# Altium PCB Testopstelling_DA_BOX_STEDIN_V2.PcbDoc (part 2 of 3)
Units mm, origin at the board's own origin, x right, y up, seen from the top; angles counter-clockwise.
Board outline 131.42 x 171.88 mm, 4 copper layers (Top Layer, GND, Power, Bottom Layer), stack 0.603 mm thick; 194 components, 128 nets, 737 pads, 414 vias.
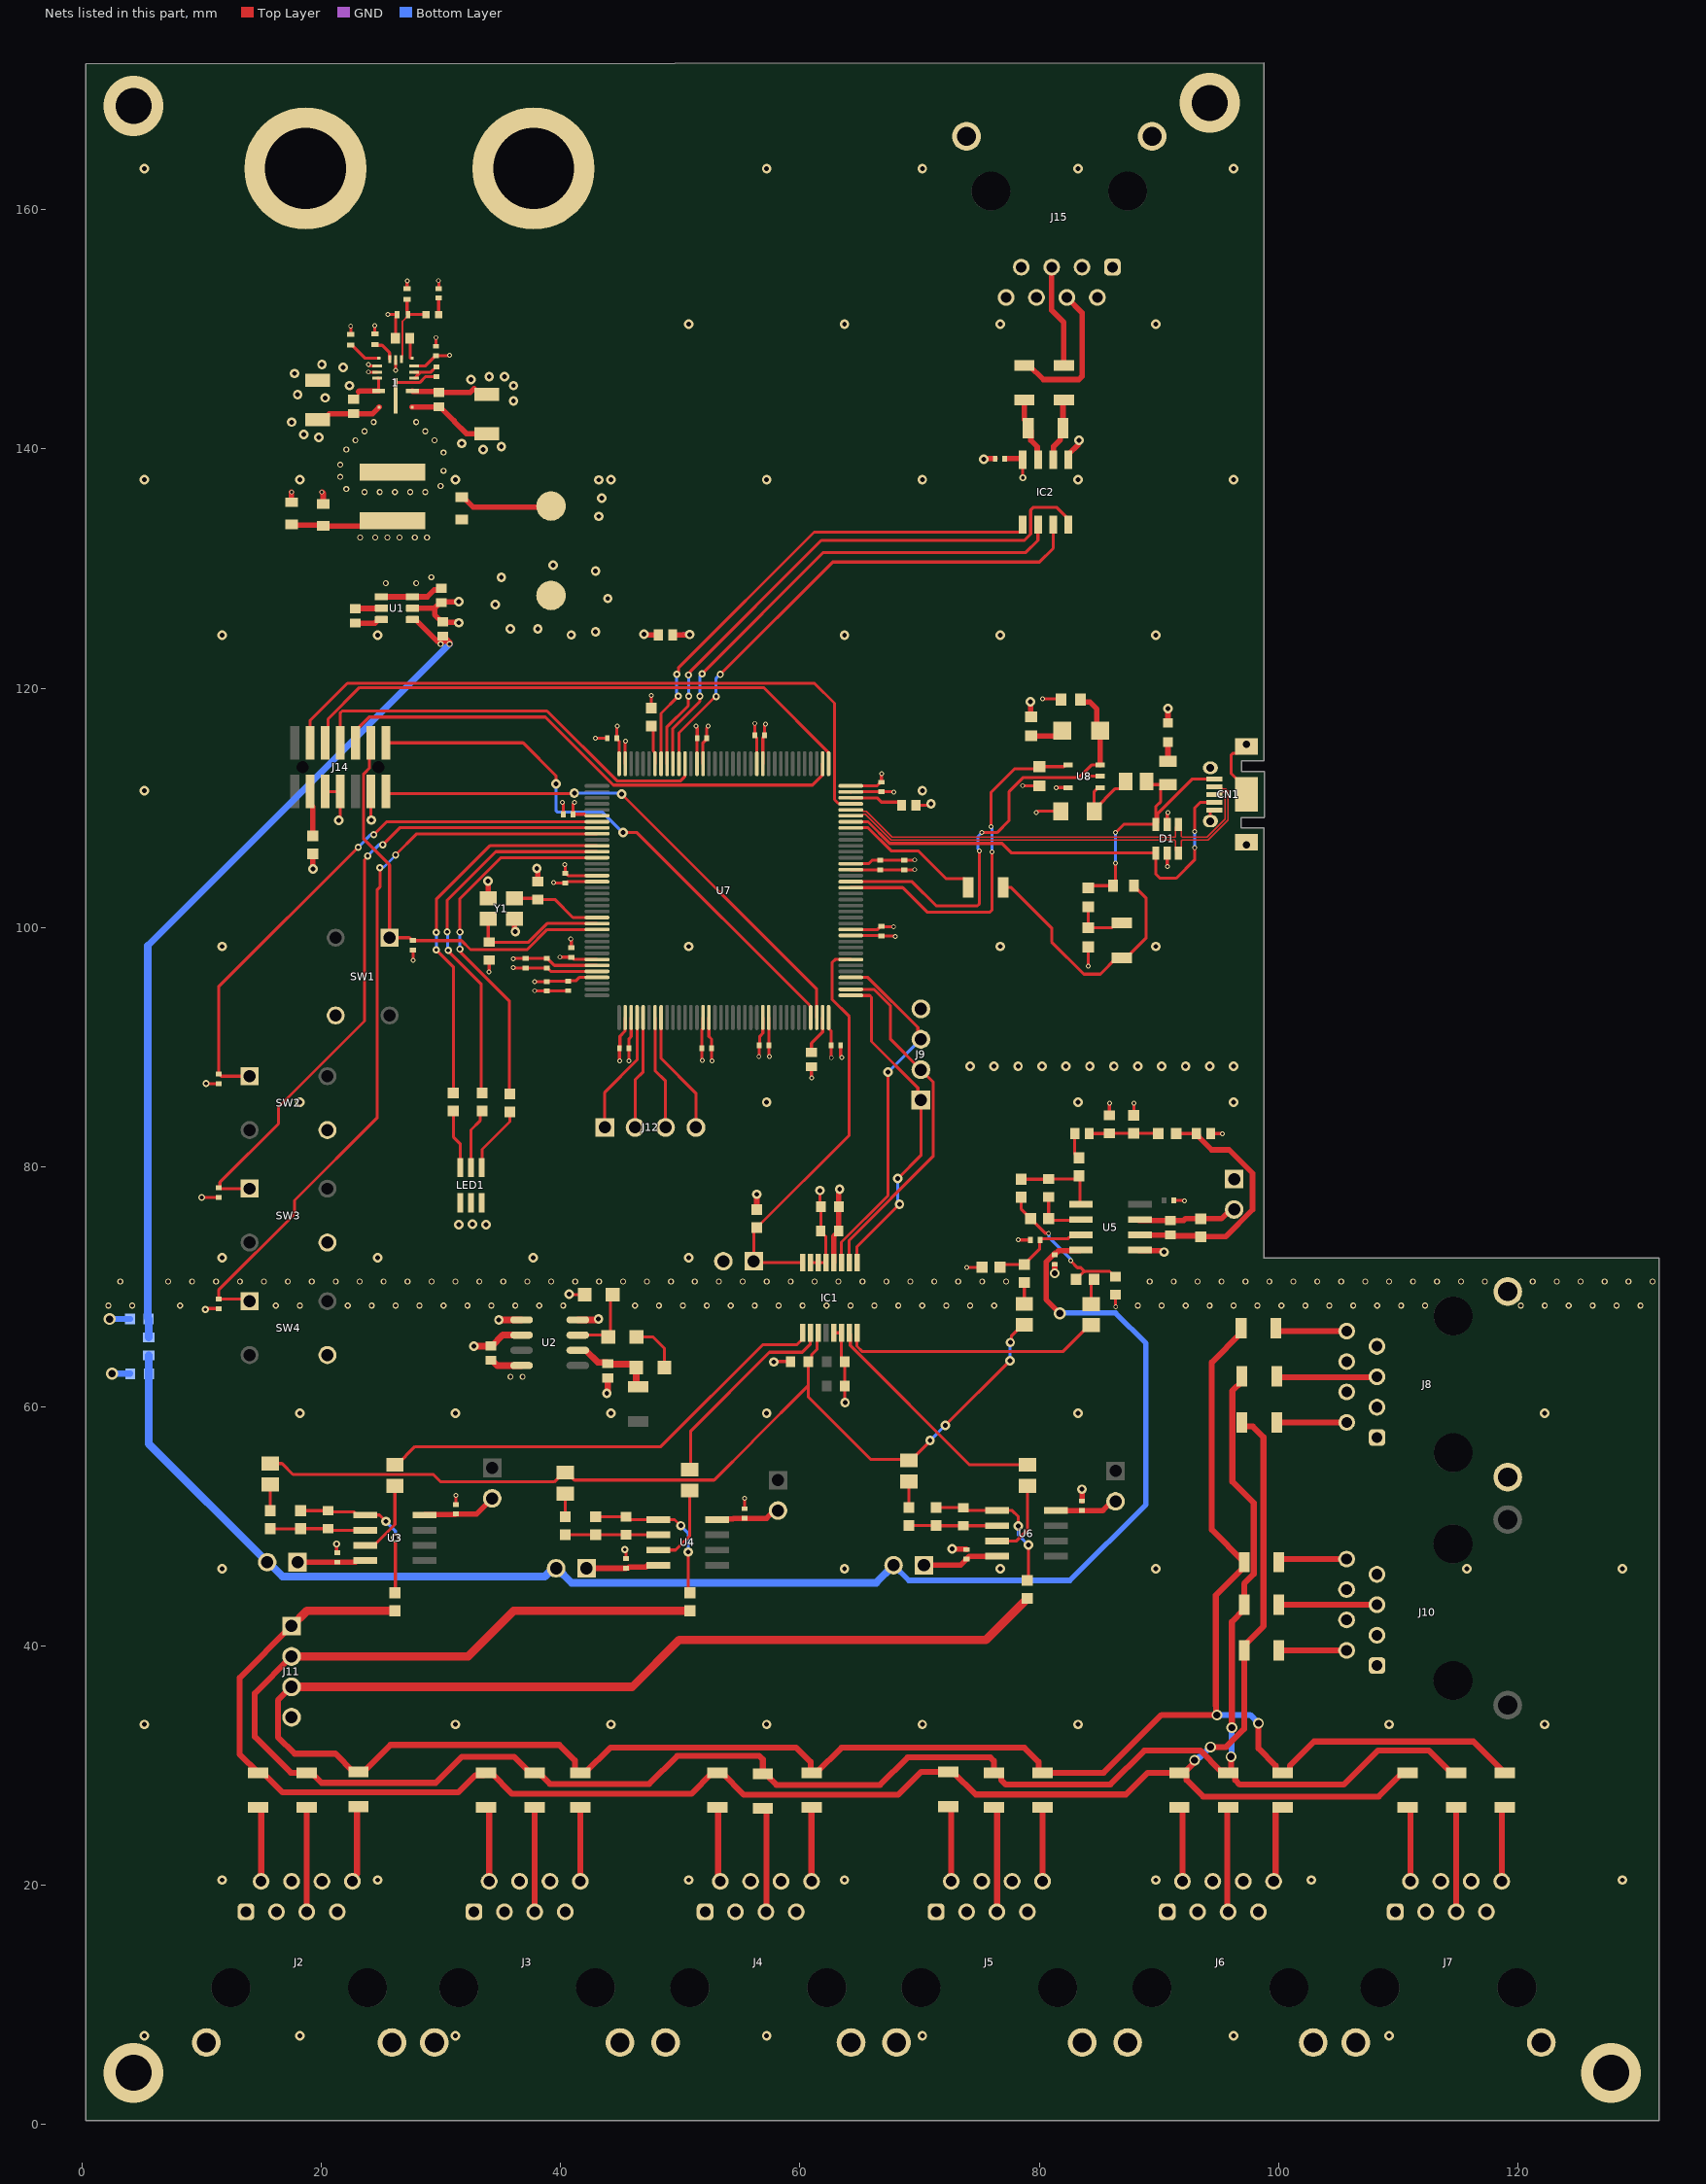
[diagram p4: the nets of this part, all layers, seen from the top]

## Via types
v1: diameter 0.8, hole 0.4, Top Layer to Bottom Layer, 160 vias
v2: diameter 0.5, hole 0.3, Top Layer to Bottom Layer, 139 vias
v3: diameter 0.4, hole 0.25, Top Layer to Bottom Layer, 74 vias
v4: diameter 0.6, hole 0.3, Top Layer to Bottom Layer, 26 vias
v5: diameter 0.9, hole 0.6, Top Layer to Bottom Layer, 6 vias
v6: diameter 5, hole 3, Top Layer to Bottom Layer, 4 vias
v7: diameter 1, hole 0.6, Top Layer to Bottom Layer, 3 vias
v8: diameter 0.9, hole 0.5, Top Layer to Bottom Layer, 1 vias
v9: diameter 0.8, hole 0.5, Top Layer to Bottom Layer, 1 vias

## Nets (pads, with @x,y where several pads share a name; then routed paths per layer and width w, separated by ;. In a path a pad name is that pad's centre, name@x,y a point inside that pad or via, vN(x,y) a via of type N, cw(c..) or ccw(c..) an arc to the next point about the centre after c; other vN are vias at no path point) (continued)
"+3V3 (DVVD)": 1.5 C1.2 C6.1 C7.1 C8.1 C10.2 C11.2 C14.1 C17.2 C20.1 C21.1 C48.1 C49.1 C50.1 C51.1 C52.1 C53.1 C54.1 C55.1 C56.1 C57.1 C58.1 C59.1 C60.1 C61.1 C62.1 C63.1 C64.1 C65.1 C66.1 C67.1 IC1.12 IC2.8 L1.2 R1.2 R3.1 R15.2 R54.2 R61.2 R62.1 U1.3 U1.4 U2.5 U2.8 U7.6 U7.17 U7.30 U7.32 U7.33 U7.39 U7.52 U7.62 U7.72 U7.84 U7.95 U7.108 U7.121 U7.131 U7.143 U7.144 U8.5 | length 101.6
  Top Layer w0.254: v3(22.466,150.26) 22.479,150.246 R3.1@22.479,149.573 ; R1.2@27.178,153.383 27.178,154.013 27.187,154.022 v3(27.187,154.037) ; 1.5@28.042,146.922 28.686,146.922 29.541,147.777 C11.2@29.591,147.777 29.616,147.803 30.709,147.803 v3(30.734,147.828) ; v3(29.803,154.06) 29.82,154.043 C10.2@29.82,153.403 ; v3(36.039,96.664) 36.074,96.628 C64.1@37.084,96.628 C63.1@38.862,96.628 38.912,96.628 39.191,96.349 U7.32@43.045,96.349 ; v3(37.846,95.504) C57.1@38.862,95.504 38.881,95.523 40.621,95.523 C56.1@40.64,95.542 40.658,95.56 41.271,95.56 41.56,95.849 U7.33@43.045,95.849 ; v3(39.421,103.758) 39.439,103.74 C55.1@40.386,103.74 40.436,103.74 40.545,103.849 U7.17@43.045,103.849 ; v3(39.937,97.54) 39.941,97.536 C59.1@40.894,97.536 40.944,97.536 41.131,97.349 U7.30@43.045,97.349 ; v3(41.148,110.49) 41.148,110.45 41.04,110.342 C60.1@41.04,109.474 42.007,109.474 42.132,109.349 U7.6@43.045,109.349 ; v3(44.726,116.848) 44.704,116.826 C61.1@44.704,115.824 44.704,115.774 44.895,115.583 U7.144@44.895,113.699 ; U7.143@45.395,113.699 45.395,115.553 v3(45.433,115.592) ; v3(45.72,88.882) C53.1@45.72,89.916 45.72,90.725 45.895,90.9 U7.39@45.895,92.499 ; v3(51.308,116.84) 51.308,116.8 51.416,116.692 C52.1@51.416,115.824 51.404,115.812 51.404,113.707 U7.131@51.395,113.699 ; U7.52@52.395,92.499 52.395,90.923 52.616,90.702 C54.1@52.616,89.916 52.616,88.91 v3(52.644,88.883) ; v3(56.236,117.072) 56.242,117.066 C48.1@56.242,116.078 56.242,116.028 56.395,115.875 U7.121@56.395,113.699 ; U7.62@57.395,92.499 57.399,92.494 57.399,90.175 C62.1@57.404,90.17 57.404,89.298 v3(57.462,89.24) ; U7.72@62.395,92.499 62.395,91.586 62.592,91.389 C51.1@62.592,90.17 62.592,89.169 v3(62.624,89.137) ; U7.84@64.245,99.849 66.487,99.849 66.752,100.114 C50.1@66.802,100.114 66.84,100.076 v3(67.818,100.076) ; U7.95@64.245,105.349 65.732,105.349 66.012,105.628 C65.1@66.71,105.628 C66.1@68.71,105.628 68.728,105.646 69.578,105.646 v3(69.596,105.664) ; U7.108@64.245,111.849 66.441,111.849 66.752,112.16 C49.1@66.802,112.16 66.802,112.856 v3(66.81,112.864) ; IC2.8@78.613,139.11 78.613,137.615 v4(78.632,137.596) ; v3(80.264,119.126) 81.762,119.126 R62.1@81.816,119.072 ; v3(81.387,111.694) 81.401,111.708 U8.5@82.39,111.708
  Top Layer w0.454: C6.1@17.526,133.695 17.59,133.632 20.104,133.632 C7.1@20.168,133.568 25.516,133.568 L1.2@25.959,134.01 ; v1(19.304,104.902) R54.2@19.304,106.172 ; U1.4@25.04,127.645 U1.3@27.64,127.645 28.871,127.645 29.44,128.214 29.875,128.214 C14.1@30.023,128.362 ; v1(46.978,124.518) 47.036,124.46 C58.1@48.168,124.46 ; R15.2@56.388,76.443 v1(56.388,77.724) ; IC1.12@62.809,72.026 62.809,74.201 63.234,74.626 C21.1@63.234,74.676 63.24,74.682 63.24,76.702 C20.1@63.246,76.708 63.246,78.074 v1(63.312,78.14) ; C67.1@77.108,139.192 78.531,139.192 IC2.8@78.613,139.11 ; v1(79.248,118.872) 79.281,118.839 79.281,117.657 R61.2@79.314,117.624
  Top Layer w0.554: C17.2@34.188,63.856 34.263,63.856 34.695,63.424 U2.8@36.741,63.424 ; v1(34.844,67.22) 34.858,67.234 U2.5@36.741,67.234
  other v1: 40.894,124.46 42.926,124.714 35.814,124.968 38.1,124.968 34.544,127 43.942,127.508 35.052,129.286 42.926,129.794 39.37,130.302
  other v2: 35.814,62.484 36.83,62.484 25.4,128.778 27.94,128.778 29.21,129.286 23.25,132.604 24.52,132.604 25.536,132.604 26.552,132.604 27.822,132.604 28.838,132.604
+30V: 1.2 1.13 1.14 C2.1 C3.1 C4.1 C5.1 J1.1 | length 8.2
  Top Layer w0.254: 1.13@24.68,145.922 24.803,145.922 24.805,145.92 1.14@24.805,144.847
  Top Layer w0.454: 23.114,144.78 23.181,144.847 1.14@24.805,144.847 ; 1.2@27.631,144.847 27.658,144.82 29.754,144.82 C5.1@29.845,144.729 32.461,144.729 32.766,145.034
  other v1: 36.068,144.018 20.32,144.272 18.034,144.526 22.352,145.288 36.068,145.288 32.512,145.796 34.036,146.05 35.306,146.05 17.78,146.304 21.844,146.812 20.066,147.066
"-3V3 (AS)": C39.1 DNP2.2 P3.2 P5.2 P8.2 R77.2 U5.4 | length 129.5
  Top Layer w0.454: v7(81.701,67.786) 80.553,68.933 80.553,72.067 81.291,72.805 81.403,72.805 81.623,73.025 U5.4@83.388,73.025
  Bottom Layer w0.454: P8.2@67.818,46.736 69.088,45.466 82.55,45.466 88.9,51.816 88.9,65.278 86.368,67.81 81.725,67.81 v7(81.701,67.786)
  Bottom Layer w0.654: R77.2@5.588,64.262 5.594,64.256 5.594,62.744 DNP2.2@5.601,62.738 5.601,56.883 P3.2@15.494,46.99 15.573,46.99 16.775,45.788 38.688,45.788 39.382,46.482 P5.2@39.624,46.482 39.703,46.482 40.905,45.28 66.362,45.28 P8.2@67.818,46.736
"-3V3 (VS)": C15.1 DNP1.2 R77.1 U1.1 | length 73.1
  Top Layer w0.454: U1.1@27.64,125.745 27.713,125.672 27.963,125.672 29.683,123.952 30.622,123.952 ; C15.1@30.15,124.358 30.225,124.358 30.725,123.858 30.725,123.707 v2(30.734,123.698)
  Bottom Layer w0.554: DNP1.2@5.526,67.372 DNP1.2@5.588,67.31 ; 5.526,98.49 v2(30.734,123.698)
  Bottom Layer w0.654: DNP1.2@5.526,67.372 5.526,98.49 ; R77.1@5.588,65.762 DNP1.2@5.588,67.31
  other v2: 29.972,123.698
A: IC2.6 R55.1 R57.1 | length 5.4
  Top Layer w0.454: IC2.6@81.153,139.11 81.186,139.143 81.186,140.219 81.745,140.778 81.745,141.509 R57.1@81.968,141.732 81.968,144.018 R55.1@82.042,144.092
B: IC2.7 R56.1 R57.2 | length 5.5
  Top Layer w0.454: R56.1@78.74,144.092 78.74,142.46 79.068,142.132 R57.2@79.068,141.732 79.291,141.509 79.291,140.717 79.819,140.189 79.819,139.174 IC2.7@79.883,139.11
DAC_1_OUT_A: IC1.1 R69.1 | length 38.9
  Top Layer w0.254: R69.1@26.162,55.118 26.312,55.118 27.836,56.642 48.375,56.642 56.882,65.149 59.72,65.149 60.209,65.637 IC1.1@60.209,66.15
DAC_1_OUT_B: IC1.2 R71.1 | length 17.2
  Top Layer w0.254: R71.1@50.8,54.723 50.878,54.801 50.878,57.963 57.449,64.533 60.195,64.533 60.842,65.18 60.842,66.133 IC1.2@60.859,66.15
DAC_1_OUT_C: IC1.7 R75.1 | length 20
  Top Layer w0.254: IC1.7@64.109,66.15 64.207,66.052 64.207,65.086 74.175,55.118 R75.1@78.994,55.118
DAC_1_OUT_D: IC1.8 R72.1 | length 21.8
  Top Layer w0.254: IC1.8@64.759,66.15 64.759,65.035 65.212,64.582 81.958,64.582 84.178,66.802 R72.1@84.328,66.802
DAC_OUT_D: C36.2 P6.2 R43.2 U5.7 | length 8.3
  Top Layer w0.454: U5.7@88.316,75.565 88.333,75.547 90.914,75.547 C36.2@90.932,75.53 90.946,75.544 92.063,75.544 92.201,75.681 R43.2@93.472,75.681 95.197,75.681 95.969,76.454 P6.2@96.266,76.454
FB: 1.7 R1.1 R2.2 R4.2 | length 6.7
  Top Layer w0.15: 1.7@26.718,147.51 26.768,147.56 26.768,147.84 26.795,147.867 26.795,150.672 27.254,151.132 27.254,151.182 R4.2@27.254,151.232
  Top Layer w0.254: R1.1@27.178,152.483 27.178,151.553 27.181,151.55 27.181,151.305 R4.2@27.254,151.232 R2.2@28.753,151.232
I2S1_CK: J12.2 U7.41 | length 9.5
  Top Layer w0.254: J12.2@46.228,83.312 46.228,87.294 46.895,87.961 U7.41@46.895,92.499
I2S1_MCK: J12.4 U7.44 | length 10.4
  Top Layer w0.254: U7.44@48.395,92.499 48.395,89.084 51.308,86.171 J12.4@51.308,83.312
I2S1_SD: J12.3 U7.43 | length 9.5
  Top Layer w0.254: U7.43@47.895,92.499 47.895,88.064 48.768,87.191 J12.3@48.768,83.312
I2S1_WS: J12.1 U7.40 | length 10.3
  Top Layer w0.254: J12.1@43.688,83.312 43.688,86.247 46.395,88.954 U7.40@46.395,92.499
JTDI: J14.10 U7.110 | length 44.2
  Top Layer w0.254: J14.10@22.874,115.443 22.874,116.468 24.008,117.602 38.725,117.602 44.413,111.914 61.043,111.914 61.886,112.757 61.886,113.69 U7.110@61.895,113.699
L1+: J11.1 R11.1 R14.1 R18.1 R21.1 R24.1 R27.1 R30.1 R33.1 R34.2 | length 161.7
  Top Layer w0.5: J11.1@17.526,41.656 13.193,37.323 13.193,30.929 R11.1@14.732,29.39 15.132,29.39 16.754,27.768 31.459,27.768 32.881,29.19 33.582,29.19 R14.1@33.782,29.39 34.182,29.39 35.939,27.633 50.929,27.633 52.686,29.39 R18.1@53.086,29.39 53.486,29.39 55.32,27.556 68.192,27.556 70.1,29.464 R21.1@72.39,29.464 72.79,29.464 74.678,27.576 87.231,27.576 89.045,29.39 R24.1@91.694,29.39 R24.1@92.094,29.39 ; v5(92.964,30.442) 92.887,30.365 92.887,30.183 R24.1@92.094,29.39 ; v5(94.292,31.554) 95.604,31.554 97.102,33.051 R33.1@97.102,39.624 97.102,40.024 98.722,41.644 98.722,57.444 97.829,58.337 97.122,58.337 96.922,58.537 R30.1@96.922,58.674 ; R27.1@110.744,29.39 110.344,29.39 108.357,27.403 93.681,27.403 92.294,28.79 92.294,29.19 R24.1@92.094,29.39
  Top Layer w0.7: J11.1@17.526,41.656 18.807,42.937 R34.2@26.162,42.937
  Bottom Layer w0.5: v5(92.964,30.442) 93.072,30.442 93.335,30.705 93.443,30.705 v5(94.292,31.554)
L2+: J11.2 R10.1 R13.1 R17.1 R20.1 R23.1 R26.1 R29.1 R32.1 R37.2 | length 191.8
  Top Layer w0.5: J11.2@17.526,39.116 14.453,36.043 14.453,32.398 17.461,29.39 R10.1@18.75,29.39 ; R10.1@18.796,29.39 19.196,29.39 20.031,28.555 29.571,28.555 31.75,30.734 36.102,30.734 37.446,29.39 38.246,29.39 38.446,29.19 38.446,29.119 39.105,28.459 47.392,28.459 49.742,30.809 56.603,30.809 56.896,30.516 R17.1@56.896,29.316 57.296,29.316 57.496,29.116 57.496,28.915 58.029,28.383 66.683,28.383 68.982,30.681 75.907,30.681 76.2,30.388 R20.1@76.2,29.39 76.6,29.39 76.8,29.19 76.8,28.79 77.169,28.421 85.944,28.421 88.766,31.242 93.472,31.242 95.124,29.59 95.558,29.59 R23.1@95.758,29.39 ; v5(96.012,30.734) 96.012,29.59 95.812,29.39 R23.1@95.758,29.39 ; v5(96.079,33.16) 96.079,42.011 97.102,43.034 R32.1@97.102,43.434 97.102,45.195 97.902,45.995 97.902,51.942 96.122,53.722 96.122,61.314 96.922,62.114 R29.1@96.922,62.514 ; R26.1@114.808,29.39 114.408,29.39 112.556,31.242 108.277,31.242 105.437,28.402 96.746,28.402 96.358,28.79 96.358,29.19 96.158,29.39 R23.1@95.758,29.39
  Top Layer w0.7: J11.2@17.526,39.116 32.266,39.116 36.087,42.937 R37.2@50.8,42.937
  Bottom Layer w0.5: v5(96.012,30.734) 96.046,30.768 96.046,33.126 v5(96.079,33.16)
L3+: J11.3 R9.1 R12.1 R16.1 R19.1 R22.1 R25.1 R28.1 R31.1 R47.2 | length 223
  Top Layer w0.5: J11.3@17.526,36.576 16.391,35.441 16.391,32.377 17.78,30.988 21.19,30.988 22.714,29.464 R9.1@23.114,29.464 23.514,29.464 25.777,31.727 39.901,31.727 41.194,30.434 41.194,29.59 41.394,29.39 R12.1@41.656,29.39 42.056,29.39 44.162,31.496 59.69,31.496 60.889,30.297 60.889,29.461 R16.1@60.96,29.39 61.36,29.39 63.466,31.496 78.74,31.496 79.939,30.297 79.939,29.59 80.139,29.39 R19.1@80.264,29.39 85.376,29.39 90.207,34.221 v5(94.827,34.221) 94.751,34.298 94.751,34.969 94.742,34.978 94.742,44.23 97.102,46.59 R31.1@97.102,46.99 94.397,49.695 94.397,63.697 96.848,66.148 R28.1@96.848,66.548 ; v5(98.298,33.528) 98.298,31.422 99.73,29.99 99.73,29.59 99.93,29.39 R22.1@100.33,29.39 100.73,29.39 100.93,29.59 100.93,29.99 102.944,32.004 116.258,32.004 R25.1@118.872,29.39
  Top Layer w0.7: J11.3@17.526,36.576 45.987,36.576 49.898,40.488 75.529,40.488 R47.2@78.994,43.953
  Bottom Layer w0.5: v5(94.827,34.221) 97.605,34.221 v5(98.298,33.528)
LDAC: IC1.16 P1.1 R15.1 U7.79 | length 34.6
  Top Layer w0.254: R15.1@56.388,74.941 56.134,74.687 P1.1@56.134,72.136 56.244,72.026 IC1.16@60.209,72.026 ; R15.1@56.388,74.941 64.114,82.665 64.114,92.579 62.67,94.023 62.67,97.069 62.949,97.349 U7.79@64.245,97.349
Net1_3: 1.3 1.4 C9.2 | length 2.9
  Top Layer w0.254: 1.3@27.756,145.922 27.938,145.922 27.94,145.924 27.94,146.05 28.312,146.422 ; 1.4@27.756,146.422 28.312,146.422 ; C9.2@29.642,146.85 29.592,146.85 29.164,146.422 28.312,146.422
Net1_6: 1.6 C12.1 | length 1.7
  Top Layer w0.254: C12.1@27.409,149.247 27.432,149.223 27.432,147.574
Net1_9: 1.9 R5.2 | length 2
  Top Layer w0.254: R5.2@24.486,148.731 24.559,148.658 25.098,148.658 25.716,148.041 25.716,147.512 1.9@25.718,147.51
Net1_10: 1.10 R3.2 | length 2.8
  Top Layer w0.254: R3.2@22.479,148.673 22.579,148.673 23.68,147.572 1.10@24.818,147.572
NetC10_1: C10.1 R2.1 | length 1.4
  Top Layer w0.254: R2.1@29.803,151.232 29.811,151.24 29.811,152.595 C10.1@29.82,152.603
NetC16_1: C16.1 U1.5 | length 2.2
  Top Layer w0.454: C16.1@22.835,126.651 22.857,126.673 25.017,126.673 U1.5@25.04,126.695
NetC16_2: C16.2 U1.6 | length 2.3
  Top Layer w0.454: C16.2@22.835,125.451 24.495,125.451 24.79,125.745 U1.6@25.04,125.745
NetC23_1: C23.1 R35.1 R36.1 U3.2 | length 8
  Top Layer w0.254: R36.1@15.748,49.795 15.759,49.784 R35.1@18.288,49.784 18.3,49.796 C23.1@20.574,49.796 20.713,49.657 U3.2@23.698,49.657
NetC23_2: C23.2 R34.1 R35.2 U3.1 | length 13.8
  Top Layer w0.254: R35.2@18.288,51.286 18.298,51.296 C23.2@20.574,51.296 20.666,51.204 22.71,51.204 22.987,50.927 U3.1@23.698,50.927 24.876,50.927 v1(25.402,50.401) ; R34.1@26.162,44.439 26.205,44.482 v1(26.205,49.018)
  Bottom Layer w0.254: v1(25.402,50.401) 26.205,49.598 v1(26.205,49.018)
NetC26_1: C26.1 R38.1 R40.1 U4.2 | length 7.8
  Top Layer w0.254: R40.1@40.386,49.276 42.915,49.276 R38.1@42.926,49.287 42.937,49.276 C26.1@45.466,49.276 U4.2@48.158,49.276
NetC26_2: C26.2 R37.1 R38.2 U4.1 | length 13.3
  Top Layer w0.254: R38.2@42.926,50.789 42.939,50.776 C26.2@45.466,50.776 45.696,50.546 U4.1@48.158,50.546 49.53,50.546 v1(50.038,50.038) ; v1(50.652,47.842) 50.652,44.587 R37.1@50.8,44.439
  Bottom Layer w0.254: v1(50.038,50.038) 50.652,49.424 v1(50.652,47.842)
NetC27_1: C27.1 R49.1 R51.1 U6.2 | length 7.4
  Top Layer w0.254: R51.1@69.088,50.049 R49.1@71.374,50.049 71.385,50.038 C27.1@73.66,50.038 U6.2@76.454,50.038
NetC27_2: C27.2 R47.1 R49.2 U6.1 | length 12.9
  Top Layer w0.254: R49.2@71.374,51.551 73.647,51.551 C27.2@73.66,51.538 73.89,51.308 U6.1@76.454,51.308 77.724,51.308 78.242,50.79 v1(78.242,50.006) ; R47.1@78.994,45.455 79.074,45.535 v1(79.074,48.429)
  Bottom Layer w0.254: v1(78.242,50.006) 78.242,49.262 v1(79.074,48.429)
NetC29_2: C29.2 R39.2 | length 2.2
  Top Layer w0.254: C29.2@82.958,82.804 82.958,81.118 R39.2@82.975,81.101 ; R39.2@82.975,81.1 R39.2@83.303,80.772
NetC34_1: C34.1 R45.2 U5.2 | length 4.5
  Top Layer w0.254: C34.1@80.772,77.494 R45.2@80.772,75.692 80.899,75.565 U5.2@83.388,75.565
NetC34_2: C34.2 R39.1 R42.2 U5.1 | length 7.4
  Top Layer w0.254: R42.2@78.486,78.983 80.761,78.983 C34.2@80.772,78.994 83.028,78.994 R39.1@83.304,79.27 83.388,79.185 U5.1@83.388,76.835
NetC36_1: C36.1 C38.1 R43.1 R46.2 U5.6 | length 21.4
  Top Layer w0.254: R46.2@91.421,82.804 C38.1@93.118,82.804
  Top Layer w0.454: U5.6@88.316,74.295 88.333,74.313 90.914,74.313 C36.1@90.932,74.33 91.008,74.254 93.396,74.254 R43.1@93.472,74.179 95.549,74.179 97.807,76.437 97.807,79.485 95.848,81.444 94.39,81.444 93.266,82.569 93.266,82.656 C38.1@93.118,82.804
NetC37_1: C37.1 R42.1 R44.2 R45.1 | length 12.5
  Top Layer w0.254: R42.1@78.486,77.481 78.486,76.477 R45.1@79.27,75.692 ; R45.1@79.27,75.692 80.483,74.477 80.745,74.477 v3(80.773,74.449) ; v3(82.614,72.188) 82.614,72.163 83.179,71.598 83.447,71.598 83.782,71.263 83.719,71.263 R44.2@83.069,70.612 ; 83.751,71.295 85.869,71.295 86.31,70.854 C37.1@86.36,70.854
  Bottom Layer w0.254: v3(80.773,74.449) 80.777,74.445 80.777,74.14 82.586,72.33 82.586,72.216 v3(82.614,72.188)
NetC46_1: C46.1 U7.71 | length 3.3
  Top Layer w0.254: C46.1@60.96,89.592 60.96,90.348 61.886,91.274 61.886,92.49 U7.71@61.895,92.499
NetC47_1: C47.1 U7.106 | length 4.2
  Top Layer w0.254: U7.106@64.245,110.849 66.438,110.849 66.797,110.49 C47.1@68.326,110.49
NetC68_1: C68.1 SW2.1 U7.7 | length 47.3
  Top Layer w0.254: SW2.1@14.022,87.594 11.662,87.594 11.48,87.776 C68.1@11.43,87.776 11.43,95.065 v4(23.093,106.727) ; v4(24.398,107.777) 25.47,108.849 U7.7@43.045,108.849
  Bottom Layer w0.254: v4(23.093,106.727) 24.142,107.777 v4(24.398,107.777)
NetC69_1: C69.1 SW3.1 U7.8 | length 55.7
  Top Layer w0.254: SW3.1@14.022,78.196 11.684,78.196 11.648,78.232 11.541,78.232 11.43,78.232 11.541,78.343 11.541,78.73 16.433,83.622 16.433,85.012 23.626,92.205 23.626,105.68 23.887,105.942 v4(23.887,106.002) ; v4(25.146,106.934) 26.561,108.349 U7.8@43.045,108.349
  Bottom Layer w0.254: v4(23.887,106.002) 24.819,106.934 v4(25.146,106.934)
NetC70_1: C70.1 SW4.1 U7.9 | length 63.6
  Top Layer w0.254: SW4.1@14.022,68.798 13.84,68.98 C70.1@11.43,68.98 11.43,69.722 17.78,76.072 17.78,77.216 24.665,84.101 24.665,103.149 24.91,103.394 v4(24.91,105.01) ; v4(26.223,106.083) 27.989,107.849 U7.9@43.045,107.849
  Bottom Layer w0.254: v4(24.91,105.01) 24.976,105.076 25.249,105.076 26.223,106.051 v4(26.223,106.083)
NetC71_1: C71.1 R76.1 U8.1 | length 6.2
  Top Layer w0.254: C71.1@84.582,109.728 C71.1@84.582,109.855 ; U8.1@84.912,111.708 84.582,111.378 C71.1@84.582,109.855 ; R76.1@86.962,111.96 R76.1@87.216,112.214 87.216,112.064 86.768,111.616 86.343,111.616 C71.1@84.582,109.855
NetCN1_1: CN1.1 D1.6 R64.2 R66.1 R76.2 SB1.2 | length 23.1
  Top Layer w0.254: R66.1@84.074,103.336 84.252,103.514 SB1.2@86.169,103.514 86.36,103.704 v3(86.36,105.41) ; v3(86.36,107.95) 87.052,108.642 D1.6@89.728,108.642 ; R76.2@88.966,112.214 89.22,111.96 R64.2@90.494,111.96 ; R64.2@90.963,112.18 R64.2@90.744,111.96 R64.2@90.494,111.96 ; CN1.1@94.607,112.434 92.78,112.434 89.901,109.555 89.901,108.815 D1.6@89.728,108.642 ; D1.6@89.728,108.642 89.728,110.13 90.146,110.547 90.146,111.612 R64.2@90.494,111.96
  Bottom Layer w0.254: v3(86.36,105.41) v3(86.36,107.95)
NetIC2_1: IC2.1 U7.137 | length 42.7
  Top Layer w0.254: U7.137@48.395,113.699 48.395,117.907 v4(49.835,119.347) ; v4(49.704,121.169) 49.704,121.263 49.838,121.396 49.838,121.708 61.181,133.05 78.415,133.05 78.613,133.248 IC2.1@78.613,133.686
  Bottom Layer w0.254: v4(49.704,121.169) 49.676,121.14 49.676,119.599 49.835,119.44 v4(49.835,119.347)
NetIC2_2: IC2.2 U7.135 | length 42.6
  Top Layer w0.254: U7.135@49.395,113.699 49.395,114.611 49.361,114.645 49.361,116.626 51.639,118.904 51.639,119.354 v4(51.641,119.357) ; v4(51.824,121.221) 61.957,131.354 78.874,131.354 79.883,132.363 IC2.2@79.883,133.686
  Bottom Layer w0.254: v4(51.641,119.357) 51.641,121.038 v4(51.824,121.221)
NetIC2_3: IC2.3 U7.134 | length 43.1
  Top Layer w0.254: U7.134@49.895,113.699 49.895,116.277 52.938,119.32 v4(52.994,119.32) ; v4(53.34,121.158) 62.738,130.556 80.013,130.556 81.153,131.696 IC2.3@81.153,133.686
  Bottom Layer w0.254: v4(52.994,119.32) 52.994,120.836 53.315,121.158 v4(53.34,121.158)
NetIC2_4: IC2.4 U7.136 | length 47.9
  Top Layer w0.254: U7.136@48.895,113.699 48.895,114.611 48.865,114.64 48.865,116.743 50.661,118.539 50.661,119.305 v4(50.703,119.347) ; v4(50.68,121.11) 50.68,121.204 50.833,121.357 50.833,121.412 61.782,132.36 78.738,132.36 79.265,132.888 79.265,134.891 79.502,135.128 81.418,135.128 82.423,134.123 IC2.4@82.423,133.686
  Bottom Layer w0.254: v4(50.68,121.11) 50.691,121.099 50.691,119.358 v4(50.703,119.347)
NetJ2_2: J2.2 R11.2 | length 6.4
  Top Layer w0.5: R11.2@14.732,26.49 14.889,26.49 14.989,26.39 J2.2@14.989,20.318
NetJ2_5: J2.5 R10.2 | length 8.7
  Top Layer w0.5: R10.2@18.796,26.49 18.798,26.488 18.798,17.779 J2.5@18.799,17.778
NetJ2_8: J2.8 R9.2 | length 6.5
  Top Layer w0.5: J2.8@22.609,20.318 22.609,20.562 22.989,20.942 22.989,26.439 R9.2@23.114,26.564
NetJ3_2: J3.2 R14.2 | length 6.3
  Top Layer w0.5: R14.2@33.782,26.49 33.836,26.49 34.036,26.29 J3.2@34.036,20.32